# KiCad board 2000ATX.kicad_pcb (continued)
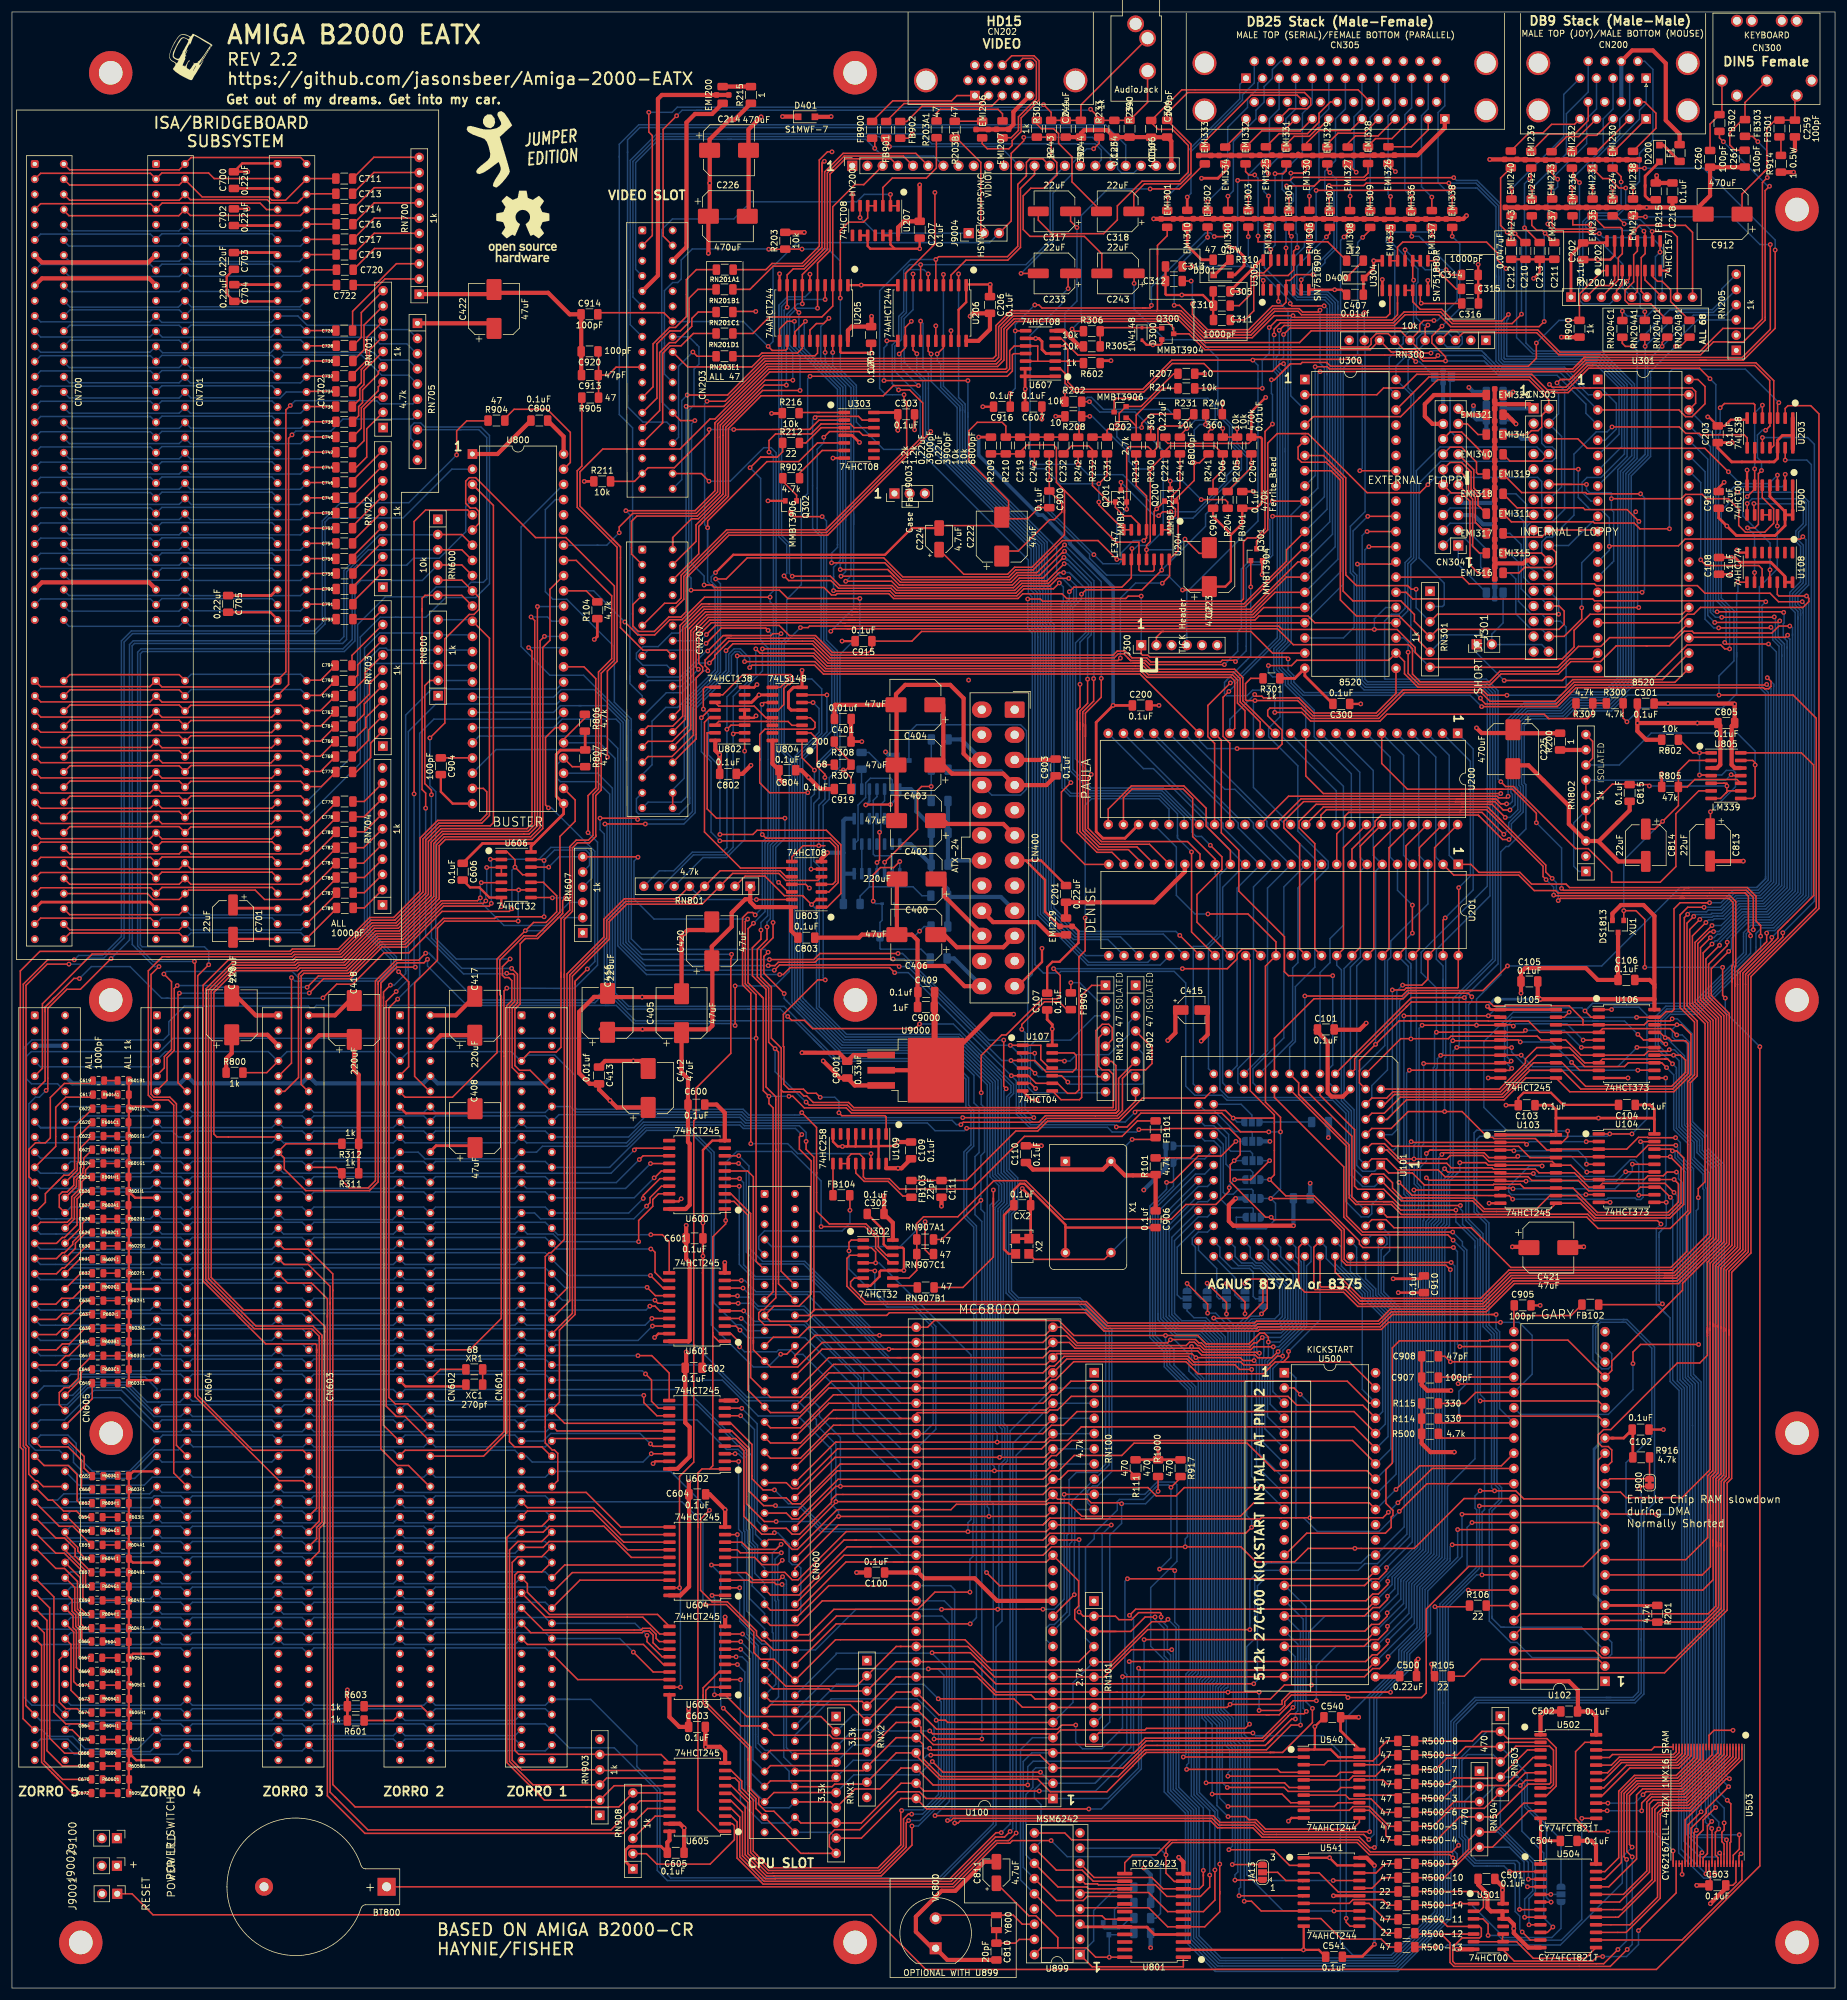
[diagram p0: board, top side]
## Routing (per net, layer and track width the routed paths; a pad name or vN(x,y) marks a point on that pad's centre or on a via; arc(x,y) is an arc through that point) (continued)
  Bottom w0.25: U201.44 233.44,170.72 233.44,166.38 231.99,164.93 231.99,141 231.05,140.06 U101.3 ; v1(283.22,19.08) 279.11,23.19 279.11,32.78 279.62,33.29 279.62,100.24 278.43,101.42 278.43,132.38 v1(277.88,132.94)
DRD12: length 236.3
  Top w0.25: v1(284.73,19.04) 284.73,19.05 U503.39 ; v1(277.27,132.13) 275.56,133.83 U104.13 272.26,133.83 271.63,133.21 263.62,133.21 261.87,134.95 U103.14 254.08,134.95 253.46,135.58 239.58,135.58 238.47,136.69 231.69,136.69 229.83,138.55 227.35,138.55 U101.2 ; U201.43 230.23,173.64 230.23,190.56 U200.45
  Bottom w0.25: U201.43 229.52,172.1 229.52,157.49 228.3,156.26 228.29,156.26 225.28,153.25 225.28,138.55 U101.2 ; v1(284.73,19.04) 284.04,18.35 282.87,18.35 278.66,22.57 278.66,32.97 279.17,33.48 279.17,100.05 277.67,101.55 277.67,131.73 v1(277.27,132.13)
DRD13: length 246.9
  Top w0.25: U104.14 v1(277.9,135.1) 278.6,134.4 278.6,131.33 276.86,129.59 265.07,129.59 260.98,133.68 U103.13 252.81,133.68 252.18,134.31 247.75,134.31 247.64,134.2 236.13,134.2 234.14,136.19 230.17,136.19 U101.1 ; v1(285.52,22.57) 285.73,22.35 U503.41 ; U201.42 227.69,173.64 227.69,190.56 U200.44
  Bottom w0.25: U101.1 227.82,136.48 225.82,136.48 224.83,137.47 224.83,170.78 U201.42 ; v1(285.52,22.57) 284.85,21.9 282.2,21.9 279.56,24.54 279.56,32.59 280.07,33.11 280.07,100.42 279.3,101.19 ; v1(277.9,135.1) 278.88,134.12 278.88,101.61 279.45,101.04
DRD14: length 260
  Top w0.25: U104.17 v1(277.24,138.91) 279.05,137.1 279.05,131.15 277.05,129.14 264.88,129.14 261.61,132.41 U103.12 ; U103.12 257.53,132.41 ; U103.12 257.12,132.41 254.91,130.2 246.18,130.2 244.39,131.99 237.55,132.03 232.45,132.03 230.81,133.67 230.81,134.55 229.35,136.01 227.35,136.01 U101.84 ; v1(286.65,24.77) 286.73,24.68 U503.43 ; U200.43 225.44,190.85 225.44,173.93 U201.41
  Bottom w0.25: U201.41 224.03,171.65 222.72,170.35 222.72,148.43 224.38,146.77 224.38,136.91 U101.84 ; v1(286.65,24.77) 286.25,25.16 281.14,25.16 280.46,25.85 280.46,29.85 280.97,30.37 280.97,93.98 280.97,93.99 280.97,100.8 280.2,101.57 280.2,101.59 279.78,102 279.78,136.37 v1(277.24,138.91)
DRD15: length 267.2
  Top w0.25: U200.42 222.61,190.56 222.61,173.64 U201.40 ; 228.85,134.82 U101.83 232.29,131.54 244.2,131.54 245.99,129.75 256.75,129.75 U103.11 262.25,131.14 264.7,128.69 ; U104.18 277.32,140.18 v1(277.61,139.89) 278.33,139.89 279.5,138.72 279.5,130.96 277.23,128.69 264.7,128.69 ; 264.7,128.69 263.64,129.75 ; U503.45 287.73,20.99 287.78,21.04 287.78,22.2 288.8,23.21 v1(288.8,25.61)
  Bottom w0.25: U201.40 221.49,170.9 222.27,170.12 222.27,148.24 223.93,146.58 223.93,135.83 225.82,133.94 227.82,133.94 U101.83 ; 280.65,101.75 281.42,100.98 281.42,30.18 280.91,29.66 280.91,26.03 281.32,25.61 v1(288.8,25.61) ; 280.65,101.78 280.23,102.19 280.23,136.56 278.04,138.75 278.04,139.74 277.89,139.89 v1(277.61,139.89)
E: length 540.4
  Top w0.25: XR1.1 71.63,103.38 69.82,101.57 ; 140.11,227.58 211.79,227.58 212.35,227.02 231.58,227.02 234.6,224 234.6,223.17 235.66,222.11 259.19,222.11 261.17,224.09 261.17,226.88 263.85,229.56 279.24,229.56 U301.25 ; 140.11,227.58 133.35,227.58 133.1,227.33 v1(131.83,227.33) ; 140.11,227.58 139.24,227.58 ; U100.20 172.92,78.81 v1(163.34,78.81) v1(138.21,78.81) 137.98,78.81 CN600.50
  Bottom w0.25: 8.86,101.57 9.84,102.55 28.2,102.55 29.18,101.57 30.16,102.55 48.52,102.55 49.5,101.57 50.48,102.55 68.84,102.55 69.82,101.57 70.8,102.55 89.16,102.55 90.14,101.57 ; v1(138.21,78.81) 138.21,79.62 136.99,80.84 136.99,90.03 131.44,95.58 124.77,95.58 118.78,101.57 CN601.50 ; 163.05,84.19 163.05,80.43 163.34,80.14 v1(163.34,78.81) ; 163.05,84.19 163.05,150.93 157.33,156.66 138.43,156.66 131.75,163.34 ; 163.05,84.19 163.05,83.97 ; 131.75,163.34 130.41,164.68 130.41,205.56 129.11,206.85 129.11,224.62 v1(131.83,227.33) ; 131.75,163.34 131.32,163.77 ; U300.25 229.67,230.68 227.77,228.79 v1(227.77,227.01)
E7M: length 319.5
  Top w0.25: 164.08,131.94 164.08,122.16 158.99,117.07 RN907B1.1 ; 164.08,131.94 v1(164.08,133.35) ; 164.08,131.94 164.08,130.6
  Bottom w0.25: 164.07,66.43 164.07,27.46 155.01,18.41 110.14,18.41 108.33,20.22 108.33,33.16 104.48,37.01 104.48,40.51 96.75,48.23 CN601.92 ; 164.07,66.43 164.07,65.04 ; 164.07,66.43 164.07,80.94 163.5,81.5 163.5,130.81 164.08,131.39 v1(164.08,133.35) ; 8.86,48.23 9.84,47.25 28.2,47.25 29.18,48.23 30.16,47.25 48.52,47.25 49.5,48.23 50.48,47.25 68.84,47.25 69.82,48.23 70.8,47.25 89.16,47.25 90.14,48.23 93.26,48.23
ECDAC: length 206.8
  Top w0.25: v1(159.61,143.66) 171.31,143.66 172.96,145.32 184.97,145.32 187.86,148.21 RN902.8
  Bottom w0.25: 159.66,143.61 v1(159.61,143.66) 159.21,143.26 154.33,143.26 153.05,144.54 122.64,144.54 121.69,145.49 105.73,145.49 104.02,143.77 86.04,143.77 85.06,144.75 84.08,143.77 65.72,143.77 64.74,144.75 63.76,143.77 45.4,143.77 44.42,144.75 43.44,143.77 25.08,143.77 24.1,144.75 ; 3.78,144.75 4.76,143.77 10.91,143.77 4.79,143.77 ; 4.79,143.77 23.25,143.77 CN604.15 ; 4.79,143.77 CN605.15
FC0: length 195.2
  Top w0.25: v1(165.4,25.96) 164.51,25.96 156.84,18.29 127.61,18.29 127.59,18.27 125.96,18.27 122.13,22.09 122.13,29.39 120.25,31.27 U605.5 ; U100.28 172.92,99.13 137.34,99.13 131.84,93.62 126.81,93.62 CN600.31 ; 180.92,100.25 RN100.2
  Bottom w0.25: v1(165.4,25.96) 166.88,27.44 166.88,93.1 U100.28 180.92,100.25
FC1: length 192.9
  Top w0.25: CN600.33 126.81,91.08 131.84,91.08 137.34,96.59 172.92,96.59 U100.27 ; v1(166.88,26.16) 165.95,25.23 164.43,25.23 157.01,17.82 125.77,17.82 121.68,21.9 121.68,28.57 120.25,30 U605.4 ; 180.92,97.71 RN100.3
  Bottom w0.25: v1(166.88,26.16) 167.33,26.62 167.33,91.01 U100.27 180.92,97.71
FC2: length 190.5
  Top w0.25: U605.3 120.25,28.73 121.23,27.75 121.23,21.72 125.58,17.37 157.24,17.37 164.51,24.64 166.62,24.64 v1(167.89,25.91) ; CN600.35 126.81,88.54 131.84,88.54 137.34,94.05 172.92,94.05 U100.26 174.07,95.2
  Bottom w0.25: RN100.4 174.07,95.2 ; U100.26 167.89,89.03 v1(167.89,25.91)
FLTLEFT: length 116.4
  Top w0.25: CN203.3 107.06,292.84 107.06,309.55 106.48,310.13 v1(106.48,313.44) ; 172.31,314.55 v1(172.47,314.71) 173.74,313.43 R243.1 R244.2 178.72,314.68 CN205.T
  Bottom w0.25: v1(106.48,313.44) 110.38,313.43 111.24,314.29 172.05,314.29 v1(172.47,314.71)
FLTRIGHT: length 110.8
  Top w0.25: CN205.R 189.86,315.1 R234.2 R233.1 181.77,312.52 v1(180.34,313.94) ; v1(111.12,312.85) 108.86,310.59 108.86,292.77 CN203.4
  Bottom w0.25: 115.27,313.78 112.06,313.78 v1(111.12,312.85) ; 115.27,313.78 180.18,313.78 v1(180.34,313.94) ; 115.27,313.78 114.41,313.78
G0: length 126.2
  Top w0.25: 110.46,235.79 110.81,235.44 ; v1(151.56,267.77) 147.37,267.77 145.67,266.07 125.24,266.07 119.78,260.6 119.78,249.26 115.44,244.92 115.44,244.85 114.82,244.24 114.82,239.64 CN207.6 ; v1(150.37,278.51) 149.38,277.52 U206.12 149.38,274.09 v1(148.34,273.05)
  In1.Cu w0.25: 158.18,307.03 157.85,307.03 ; 158.18,307.03 153.98,307.03 152.01,305.06 152.01,303.29 152.63,302.68 153.95,302.68 156.14,300.48 156.14,288.98 155,287.84 155,280.86 153.41,279.27 151.13,279.27 v1(150.37,278.51) ; 158.18,307.03 163.36,307.03 HY200.11
  Bottom w0.25: v1(148.34,273.05) 148.69,272.69 148.69,270.64 v1(151.56,267.77)
G1: length 139.3
  Top w0.25: CN207.7 103.82,231.18 103.82,227.58 104.72,226.69 107.4,226.69 109.81,229.1 111.84,229.1 112.78,230.04 112.78,235.69 119.86,242.77 136.37,242.77 148.73,255.13 ; 150.77,257.17 148.73,255.13 ; 148.73,255.13 153.61,260.01 v1(153.61,260.1) ; U206.14 v1(151.92,278.55)
  In1.Cu w0.25: v1(151.92,278.55) 154.6,278.55 156.1,280.05 156.1,285.21 156.59,285.7 156.59,300.67 154.55,302.71 154.55,305.06 155.62,306.12 161.72,306.12 HY200.10
  Bottom w0.25: v1(151.92,278.55) 152.32,278.15 152.32,270.72 153.22,269.82 153.22,260.48 v1(153.61,260.1)
G2: length 127
  Top w0.25: U206.16 v1(154.46,277.75)
  In1.Cu w0.25: CN207.8 118.78,232.75 125.22,239.19 125.22,278.23 123.63,279.81 123.63,280.51 124.01,280.89 125.36,280.89 128.5,277.75 v1(154.46,277.75) 156.55,279.84 156.55,285.03 157.04,285.52 157.04,305.01 157.71,305.67 159.63,305.67 HY200.9
G3: length 67.6
  Top w0.25: RN201C1.1 120.63,280.16 v1(124.36,280.16) ; U206.18 v1(157,276.95)
  In1.Cu w0.25: HY200.8 158.27,297.45 158.29,297.43 157.49,296.64 157.49,284.62 157,284.12 v1(157,276.95) 127.57,276.95 v1(124.36,280.16)
M0H: length 153.8
  Top w0.25: v1(249.43,192.79) 245.76,196.45 242.07,196.45 ; v1(275.89,274.32) 275.89,275 RN204D1.2 ; 242.07,196.45 242.23,196.45 ; 242.07,196.45 223.48,196.45 222.8,195.78 222.8,194.16 221.49,192.85 U201.9
  Bottom w0.25: RN205.4 286.56,279.55 281.13,279.55 v1(275.89,274.32) 273.5,271.93 273.5,268.54 273.51,268.53 273.51,256.1 270.28,252.87 270.28,218.15 266.89,214.76 260.93,214.76 259.16,212.99 253.59,212.99 251.94,211.34 251.94,200.97 252.21,200.69 252.21,196.71 250.24,194.73 250.24,193.6 v1(249.43,192.79)
M0V: length 187.6
  Top w0.25: 241.32,198.25 242.98,198.25 ; 241.32,198.25 215.94,198.25 212.64,194.95 212.64,193.87 215.28,191.23 215.28,173.64 U201.38 ; 241.32,198.25 246.81,198.25 ; 269.24,274.93 RN204C1.2 269.24,274.83 269.75,274.32 v1(271.02,274.32) ; 246.81,198.25 247.92,198.25 249.32,196.85 v1(250.44,196.85) ; 246.81,198.25 247.65,198.25
  Bottom w0.25: RN205.6 285.85,283.92 285.85,282.02 284.29,280.45 277.66,280.45 ; 271.71,273.12 271.71,273.63 v1(271.02,274.32) 277.15,280.45 277.66,280.45 ; 271.71,273.12 271.71,255.58 269.38,253.25 269.38,218.52 266.51,215.66 260.56,215.66 258.79,213.89 253.22,213.89 251.04,211.71 251.04,200.55 251.31,200.27 251.31,197.72 v1(250.44,196.85) ; 271.71,273.12 271.71,273.39 271.7,273.39 ; 277.66,280.45 277.4,280.45
M1H: length 149.8
  Top w0.25: 245.34,195.81 245.14,196 228.93,196 227.88,194.95 227.88,194.16 224.03,190.31 U201.8 ; 245.34,195.81 249.22,191.92 v1(250.29,191.92) ; 245.34,195.81 245.2,195.94 ; RN204B1.2 278.92,274.32 v1(278.13,274.32)
  Bottom w0.25: v1(250.29,191.92) 250.69,192.32 250.69,194.55 252.66,196.52 252.66,200.88 252.39,201.16 252.39,211.15 253.78,212.54 259.34,212.54 261.11,214.31 267.07,214.31 270.73,217.97 270.73,252.69 273.96,255.92 273.96,269.09 273.95,269.1 273.95,270.14 v1(278.13,274.32) 278.13,275.08 281.79,278.74 RN205.3
M1V: length 179.1
  Top w0.25: v1(249.66,195.61) 247.46,197.8 242.38,197.8 ; v1(273.05,274.32) 273,274.37 RN204A1.2 273.05,275.82 ; 242.38,197.8 242.79,197.8 ; 242.38,197.8 218.03,197.8 215.18,194.95 215.18,193.87 217.82,191.23 217.82,173.64 U201.39
  Bottom w0.25: 272.06,255.29 269.83,253.06 269.83,218.34 266.7,215.21 260.74,215.21 258.97,213.44 253.41,213.44 251.49,211.52 251.49,200.74 251.51,200.71 251.56,200.71 251.76,200.51 251.76,196.89 250.48,195.61 v1(249.66,195.61) ; 272.06,255.29 273.05,256.28 v1(273.05,274.32) 278.73,280 284.47,280 RN205.5 ; 272.06,255.29 273.06,256.29
OVL: length 296
  Top w0.25: 283.97,268.83 v1(283.9,268.91) 282.14,270.67 263.61,270.67 259.99,267.05 256.7,267.05 254.09,269.65 234.86,269.65 232.57,267.37 229.32,267.37 228.19,266.24 U300.2 ; v1(286.36,224.84) 286.61,224.59 v1(293.67,224.59) ; v1(271.02,104.34) 271.02,106.27 272.29,107.54 v1(281.99,107.54) ; v1(281.94,132.08) 281.94,133.6 283.06,134.73 283.06,161.14 280.05,164.16 280.05,177.95 v1(281.18,179.07)
  Bottom w0.25: v1(293.67,224.59) 294.99,223.27 294.99,184.6 292.49,182.1 288.39,182.1 285.87,179.57 284.23,179.57 ; v1(281.99,107.54) 281.59,107.94 281.59,129.89 281.94,130.24 v1(281.94,132.08) ; v1(286.36,224.84) 286.58,225.06 286.58,230.21 284.87,231.92 284.87,267.93 283.92,268.88 ; U102.30 252.23,95.85 266.88,95.85 271.02,99.99 v1(271.02,104.34) ; 284.23,179.57 284.04,179.38 281.24,179.38 281.18,179.32 v1(281.18,179.07) ; 284.23,179.57 284.12,179.57
PBUSY: length 267.9
  Top w0.25: v1(234.04,292.71) 233.93,292.81 EMI336.1 ; RN300.6 232.16,276.91 217.22,276.91 215.27,274.96 199.52,274.96 195.09,279.39 167.37,279.39 165.41,277.42 165.41,272.21 164.59,271.4 126.12,271.4 119.01,264.29 v1(112.71,264.29) ; RN300.6 235.36,276.96 235.36,277.98 236.02,278.64 v1(237.74,278.64) ; RN300.6 235.86,273.2 v1(237.24,273.2) ; U301.39 U301.2
  Bottom w0.25: 112.7,233.53 112.7,227.61 111.5,226.41 110.3,226.41 108.03,224.15 105.49,224.15 104.4,223.06 104.4,222.11 105.49,221.03 109.48,221.03 CN207.18 ; 112.7,233.53 112.7,233.35 ; 112.7,233.53 v1(112.71,264.29) ; v1(237.74,278.64) 238.31,278.64 241.61,281.94 241.61,286.36 235.97,292 ; 247.81,271.49 248.9,270.4 259.38,270.4 263.54,266.24 U301.2 ; 247.81,271.49 246.44,272.86 ; 247.81,271.49 247.66,271.64 ; 235.97,292 235.26,292.71 v1(234.04,292.71) ; 235.97,292 235.52,292.46 ; v1(237.24,273.2) 237.64,273.6 245.7,273.6 246.44,272.86 ; 246.44,272.86 246.1,273.2
PPD0: length 222.4
  Top w0.25: 119.91,225.55 119.53,225.55 115.89,221.9 115.89,220.95 116.34,220.49 v1(116.34,220.12) ; 119.91,225.55 119.73,225.55 ; 119.91,225.55 119.76,225.55 ; 119.91,225.55 134.15,225.55 136.98,222.72 184.11,222.72 184.78,223.4 186.12,223.4 187.25,222.27 189.72,222.27 190.4,221.6 202.08,221.6 202.36,221.87 204.34,221.87 v1(204.56,221.65) ; v1(194.31,281.18) 195.21,281.18 199.72,276.66 206.96,276.66 210.93,280.63 215.21,280.63 215.77,280.06 218.39,280.06 v1(218.69,280.37) ; U300.10 v1(210.77,245.92) ; EMI302.1 v1(199.9,292.56)
  Bottom w0.25: 204.55,221.64 v1(204.56,221.65) 206.34,223.44 206.34,237.28 206.91,237.85 209.19,237.85 210.77,239.42 v1(210.77,245.92) ; v1(194.31,281.18) 194.31,286.97 v1(199.9,292.56) ; U300.10 219.42,249.19 219.42,270.78 218.69,271.5 v1(218.69,280.37) ; CN207.23 109.4,216.45 111.92,216.45 115.6,220.12 v1(116.34,220.12)
PPD1: length 200
  Top w0.25: v1(213.72,281.48) 213.72,281.33 213.97,281.08 218.33,281.08 218.35,281.09 v1(219.39,281.09) ; 141.83,231.29 116.61,231.29 ; 141.83,231.29 141.53,231.29 ; 141.83,231.29 205.97,231.29 213.09,238.42 213.09,240.32 U300.11 ; 116.61,231.29 116.43,231.29 ; 116.61,231.29 115.31,231.29 111.68,227.67 111.68,213.64 CN207.24 ; EMI303.1 v1(206.71,292.66)
  Bottom w0.25: v1(219.39,281.09) 219.87,280.61 219.87,269.6 ; v1(206.71,292.66) 206.71,288.91 213.72,281.9 v1(213.72,281.48) ; 219.87,269.6 219.87,280.21 ; 219.87,269.6 219.87,247.1 U300.11
PPD2: length 195.1
  Top w0.25: EMI304.1 v1(210.11,292.86) ; CN207.25 106.36,210.87 110.48,210.87 112.13,212.52 112.13,227.48 115.49,230.84 206.15,230.84 U300.12
  Bottom w0.25: U300.12 220.32,245.01 220.32,281.24 219.46,282.09 214.82,282.09 214.16,282.75 214.13,282.75 209.4,287.49 209.4,292.15 v1(210.11,292.86)
PPD3: length 190.5
  Top w0.25: v1(213.92,292.71) 213.51,293.12 EMI305.1 ; CN207.26 112.58,212 112.58,227.26 115.71,230.39 141.09,230.39 ; 141.09,230.39 207.07,230.39 214.98,238.3 U300.13 ; 141.09,230.39 140.96,230.39
  Bottom w0.25: 220.78,279.65 220.77,279.66 220.77,279.96 ; 220.78,279.65 220.78,242.93 U300.13 ; 220.78,279.65 220.78,281.41 219.65,282.54 215,282.54 214.34,283.2 214.32,283.2 213.92,283.6 v1(213.92,292.71)
PPD4: length 200
  Top w0.25: 141.35,229.94 115.95,229.94 113.03,227.03 113.03,210.98 110.38,208.33 106.36,208.33 CN207.27 ; 141.35,229.94 207.26,229.94 213.08,235.76 U300.14 ; 141.35,229.94 140.56,229.94 ; EMI306.1 216.92,292.66 v1(216.87,292.61)
  Bottom w0.25: U300.14 221.23,240.84 221.23,279.45 221.23,281.6 219.84,282.99 215.19,282.99 214.51,283.67 214.49,283.67 214.37,283.79 214.37,289.24 216.09,290.96 216.09,291.83 v1(216.87,292.61)
PPD5: length 197.8
  Top w0.25: 140.48,229.49 116.21,229.49 113.48,226.77 113.48,210.36 CN207.28 ; 140.48,229.49 207.44,229.49 211.17,233.22 U300.15 ; 140.48,229.49 140.31,229.49 ; EMI307.1 220.32,293.16 v1(219.76,292.6)
  Bottom w0.25: U300.15 221.68,238.75 221.68,280.6 ; 221.68,280.6 221.68,281.79 220.02,283.44 215.37,283.44 214.82,284 214.82,287.66 v1(219.76,292.6) ; 221.68,280.6 221.68,281.09
PPD6: length 198.2
  Top w0.25: v1(222.71,292.61) 223.72,293.62 EMI308.1 ; U300.16 209.27,230.68 207.63,229.04 116.39,229.04 113.93,226.58 113.93,209.36 110.36,205.79 106.36,205.79 CN207.29
  Bottom w0.25: v1(222.71,292.61) 222.13,292.03 222.13,236.66 U300.16
PPD7: length 198.2
  Top w0.25: 139.29,228.14 138.84,228.14 ; 139.29,228.14 116.92,228.14 114.83,226.06 114.83,221.37 115.48,220.72 115.48,220.02 114.38,218.92 114.38,208.72 CN207.30 ; 139.29,228.14 U300.17 ; v1(225.83,292.53) 227.08,293.78 EMI309.1
  Bottom w0.25: 225.86,292.56 v1(225.83,292.53) 224.99,291.69 224.99,280.63 ; 224.99,280.63 224.99,273.04 222.58,270.63 222.58,234.57 U300.17 ; 224.99,280.63 224.99,281.93
PPOUT: length 287.4
  Top w0.25: 100.38,242.19 94.96,247.61 94.96,253.35 98.77,257.17 111.68,257.17 116.7,262.19 117.54,262.19 126.31,270.95 164.78,270.95 165.86,272.03 165.86,277.24 167.56,278.94 194.9,278.94 199.63,274.21 226.78,274.21 227.24,274.67 227.24,275.59 228.11,276.46 230.07,276.46 RN300.7 232.69,273.84 234.59,273.84 236.03,272.4 238,272.4 v1(238.4,272.8) ; 100.38,242.19 101.74,240.83 ; 100.38,242.19 101.74,240.83 ; EMI337.1 v1(237.39,292.86) ; U301.40 281.89,268.78 283.06,267.61 283.06,264.73 280.91,262.58 279.83,262.58 278.7,263.7 U301.3 ; 101.74,240.83 101.74,227.32 105.49,223.57 109.48,223.57 CN207.16
  Bottom w0.25: RN300.7 231.19,290.32 229.75,291.75 229.75,292.45 230.74,293.43 236.82,293.43 v1(237.39,292.86) ; 246.12,272.54 246.4,272.26 ; 246.4,272.26 245.87,272.8 v1(238.4,272.8) ; 246.4,272.26 248.71,269.95 258.88,269.95 U301.3
PSEL: length 256.2
  Top w0.25: v1(240.79,292.71) EMI338.1 ; 192.68,278.49 193.11,278.49 194.22,277.37 Q300.3 196.78,276.42 199.44,273.76 227.08,273.76 RN300.8 230.6,273.39 234.41,273.39 235.91,271.88 v1(239.67,271.88) 239.67,272.59 237.4,274.87 237.4,276 v1(239.09,277.7) ; 192.68,278.49 167.74,278.49 166.31,277.05 166.31,270.7 166.1,270.5 126.49,270.5 117.53,261.53 117.53,250.19 114.2,246.86 v1(102.64,246.86) ; 192.68,278.49 192.89,278.49
  Bottom w0.25: v1(239.67,271.88) 246.15,271.88 246.64,271.38 ; 103.31,219.25 103.31,217.99 105.38,215.91 CN207.21 ; 103.31,219.25 103.31,218.31 ; 103.31,219.25 103.31,246.2 v1(102.64,246.86) ; U301.4 263.14,263.14 263.14,264.67 258.32,269.49 248.53,269.49 246.64,271.38 ; 246.64,271.38 246.35,271.68 ; v1(240.79,292.71) 242.06,291.44 242.06,280.67 v1(239.09,277.7)
PSTROBE: length 222.4
  Top w0.25: v1(112.9,266.19) 119.64,266.19 125.75,272.3 164.03,272.3 164.51,272.77 164.51,277.8 167,280.29 170.06,280.29 ; EMI301.1 193.14,292.81 191.52,291.19 191.52,290.32 ; 191.52,290.32 191.52,280.41 191.39,280.29 ; 191.52,290.32 191.52,289.61 ; 170.06,280.29 168.55,280.29 ; 170.06,280.29 191.39,280.29 ; 191.39,280.29 195.46,280.29 199.53,276.21 207.15,276.21 211.11,280.18 215.02,280.18 215.59,279.61 225.76,279.61 v1(226.11,279.96)
  Bottom w0.25: 226.22,270.82 226.22,275.23 RN300.9 v1(226.11,279.96) ; 226.22,270.82 226.22,271.12 ; 226.22,270.82 226.22,246.69 223.77,244.24 223.77,236.5 224.39,235.88 224.39,227.38 222.61,225.6 U300.18 ; CN203.36 111.99,252.05 111.99,265.28 v1(112.9,266.19)
R0: length 98.8
  Top w0.25: v1(129.48,267.84) 125.75,267.84 118.88,260.97 118.88,249.63 114.76,245.51 113.61,245.51 110.46,242.37 ; 110.46,242.37 CN207.2 ; 110.46,242.37 110.46,240.87 ; v1(129.6,280.86) U205.9 129.6,286.26 130.62,287.27 132.46,287.27 135.87,290.69 135.87,303.49 138.96,306.57 151.11,306.57 HY200.6
  Bottom w0.25: v1(129.48,267.84) 129.48,273.45 129.11,273.81 129.11,280.37 v1(129.6,280.86)
R1: length 105.9
  Top w0.25: v1(132.14,281.43) U205.7 132.14,286.32 136.32,290.5 136.32,303.3 139.15,306.12 149.02,306.12 HY200.5 ; CN207.3 103.58,239.63 103.58,245.08 104.46,245.96 114.57,245.96 118.43,249.82 118.43,261.16 125.94,268.67 v1(130.56,268.67)
  Bottom w0.25: v1(132.14,281.43) 131.32,281.43 129.56,279.67 129.56,274.32 130.56,273.33 v1(130.56,268.67)
R2: length 96.4
  Top w0.25: CN207.4 114.37,241.73 114.37,244.49 119.33,249.44 119.33,260.79 125.49,266.95 v1(131.76,266.95) ; 137.46,303.8 136.77,303.11 136.77,290.32 134.68,288.23 U205.5 v1(134.68,280.7) ; 137.46,303.8 137.34,303.68 ; 137.46,303.8 139.33,305.67 146.93,305.67 HY200.4
  Bottom w0.25: v1(131.76,266.95) 131.76,272.76 130.01,274.51 130.01,279.48 131.22,280.7 v1(134.68,280.7)
R3: length 46.4
  Top w0.25: RN201D1.1 123.88,276.48 126.63,279.24 135.41,279.24 137.22,281.05 U205.3 137.22,297.65 140.93,301.36 142.43,301.36 HY200.3
R_W: length 645.3
  Top w0.25: 180.45,51.99 U100.9 164.27,51.99 160.23,56.03 v1(153.83,56.03) ; U101.22 215.12,151.25 215.12,149.33 ; v1(245.34,80.54) 265,80.54 U102.12 274.88,79.2 v1(274.93,79.15) ; U605.6 120.25,32.54 122.58,30.21 122.58,22.28 126.14,18.72 127.4,18.72 127.42,18.74 145.33,18.74 150.47,23.88 v1(150.47,27.08) ; 215.12,149.33 222.21,142.24 ; 215.12,149.33 223.57,140.88 223.57,132.03 224.67,130.93 230.62,130.93 232.28,129.27 255.48,129.27 255.51,129.3 263.45,129.3 264.51,128.24 275.11,128.24 v1(275.69,127.66) ; v1(193.9,56.54) 187.17,56.54 182.6,51.97 RN101.6 ; v1(210.06,220.98) 213.92,220.98 214.8,221.86 230.19,221.86 U300.22 232.82,221.64 232.82,219.62 235.07,217.37 259.67,217.37 260.94,218.64 274.52,218.64 274.52,218.64 275.95,218.64 U301.22
  Bottom w0.25: v1(210.06,220.98) 210.06,219.81 210.78,219.09 211.35,219.09 212,218.45 212,212.42 210.1,210.52 210.1,209.11 214.99,204.23 214.99,193.34 220.07,188.26 220.07,187.22 217.82,184.97 217.82,170.58 214.57,167.33 214.57,158.16 213.61,157.2 U101.22 ; 239.2,47.57 239.2,63.99 245.34,70.13 v1(245.34,80.54) ; 239.2,47.57 239.2,47.78 ; 239.2,47.57 239.2,12.19 231.14,4.14 201.73,4.14 197.56,8.3 197.56,29.77 194.16,33.17 194.16,56.29 v1(193.9,56.54) ; v1(275.69,127.66) 274.93,126.9 274.93,114.27 ; v1(150.47,27.08) 151.53,27.08 156.26,31.81 156.26,53.49 153.72,56.03 ; CN600.68 137.8,55.77 137.8,55.95 153.75,55.95 v1(153.83,56.03) ; v1(274.93,79.15) 277.19,79.15 278.72,80.67 278.72,99.87 277.22,101.37 277.22,111.98 274.93,114.27 ; 274.93,114.27 276.52,112.67
RAWLEFT: length 162.4
  Top w0.25: v1(192.33,234.75) 193.55,235.97 193.55,238.67 U204.14 194.97,240.2 194.97,248.11 Q200.2 194.6,248.85 197.66,251.92 v1(197.66,254.86) 198.55,254.86 R241.2 ; v1(185.32,222.22) 184.92,221.82 136.6,221.82 133.81,224.62 120.53,224.62 v1(119.38,223.47) ; 199.56,261.24 R240.1 199.59,263.02
  Bottom w0.25: v1(185.32,222.22) 185.32,232.23 187.86,234.77 192.3,234.77 ; v1(199.54,261.26) 198.58,261.26 197.66,260.35 v1(197.66,254.86) ; v1(119.38,223.47) 119.38,220.17 113.32,214.11 113.32,197.96 111.56,196.21 104.74,196.21 104.4,196.54 104.4,198.75 CN207.33
RAWRIGHT: length 158
  Top w0.25: U204.8 v1(184.72,238.72) 181.57,241.87 175.63,241.87 170.72,236.96 167.82,236.96 166.65,235.79 148.94,235.79 145.75,238.98 122.93,238.98 119.41,235.46 v1(117.65,235.46) ; R231.2 195.61,261.01 192.07,261.01 191.6,260.53 191.6,257.56 R230.1 190.4,257.1 189.94,257.56 186.72,257.56 186.37,257.21 Q201.2 v1(186.37,247.11)
  Bottom w0.25: v1(184.72,238.72) 184.72,245.46 v1(186.37,247.11) ; v1(117.65,235.46) 118.45,234.66 118.45,219.88 112.85,214.27 112.85,199.13 111.88,198.17 106.36,198.17 CN207.35
READ: length 377.6
  Top w0.25: U605.14 100.69,33.81 RN903.2 89.02,31.39 82.73,37.68 82.73,75.29 84.59,77.15 88.58,77.15 90.14,78.71 ; 49.5,78.71 50.93,80.14 50.93,106.16 ; 86.33,224.03 v1(86.39,223.98) 86.94,223.42 86.94,194.57 86.1,193.72 71.72,193.72 69.62,191.63 69.62,182.76 64.4,177.54 60.38,177.54 55.1,172.26 47.43,172.26 46.98,171.81 36.2,171.81 31.96,167.57 31.96,166.7 ; 31.96,166.7 31.96,166.93 ; 31.96,166.7 31.96,118.13 38.04,112.05 38.04,112.03 42.43,107.63 50.76,107.63 50.93,107.46 50.93,106.53 ; 50.93,106.53 50.93,106.67 ; 50.93,106.53 50.93,106.16 ; C658.2 11.57,76.39 9.25,78.71 CN605.68 ; 50.93,106.16 50.93,106.8
  Bottom w0.25: 90.14,78.71 89.16,79.69 70.8,79.69 69.82,78.71 68.84,79.69 50.48,79.69 49.5,78.71 48.52,79.69 30.16,79.69 29.18,78.71 28.2,79.69 9.84,79.69 8.86,78.71 ; v1(86.39,223.98) 91.57,223.98 U800.35
RGA1: length 70.8
  Top w0.25: U201.17 201.17,188.64 197.4,192.4 197.4,198.76 195.81,200.36 187.28,200.36 185.83,198.91 U200.26
  Bottom w0.25: U201.17 201.17,186.13 201.47,185.82 201.47,175.91 199.61,174.05 197.5,174.05 197.5,151.09 U101.33
RGA2: length 70
  Top w0.25: U200.25 183.29,197 187.15,200.86 195.94,200.86 199.65,197.15 199.65,194.16 203.71,190.1 U201.16
  Bottom w0.25: U101.32 200.04,153.63 200.04,173.85 201.97,175.77 201.97,186.02 U201.16
RGA3: length 72.1
  Bottom w0.25: U101.31 202.42,151.25 202.42,183.93 U201.15 206.06,187.76 199.94,193.87 199.94,194.66 190.84,203.76 189.18,203.76 U200.24
RGA4: length 69.7
  Bottom w0.25: U101.30 204.83,154.13 204.83,183.8 U201.14 208.6,187.76 202.48,193.87 202.48,194.62 201.57,195.54 199.94,195.54 U200.23
RGA5: length 73.1
  Bottom w0.25: U101.29 204.96,151.25 204.96,153.62 207.57,156.23 207.57,184 U201.13 211.14,187.76 205.02,193.87 205.02,194.66 191.16,208.53 189.49,208.53 U200.22
RGA6: length 70.8
  Bottom w0.25: U101.28 209.91,156.67 209.91,183.8 U201.12 213.68,187.76 207.56,193.87 207.56,194.66 206.69,195.54 205.02,195.54 U200.21
RGA7: length 74.2
  Bottom w0.25: U101.27 207.5,151.25 207.5,153.62 212.65,158.77 212.65,184 U201.11 216.22,187.76 209.81,194.16 209.81,194.95 204.46,200.3 202.79,200.3 U200.20
RGA8: length 71.8
  Bottom w0.25: U200.19 210.1,195.54 211.77,195.54 212.64,194.66 212.64,193.87 218.76,187.76 U201.10 214.99,183.8 214.99,171.34 214.12,170.47 214.12,158.34 U101.26
